# Altium PCB F4_PCB.PcbDoc (part 2 of 2)
Units mm, origin at the board's own origin, x right, y up, seen from the top; angles counter-clockwise.
Board outline 53 x 92 mm, 2 copper layers (Top Layer, Bottom Layer); 135 components, 165 nets, 659 pads, 265 vias.
Unrouted connection lines stored in the file: 117.
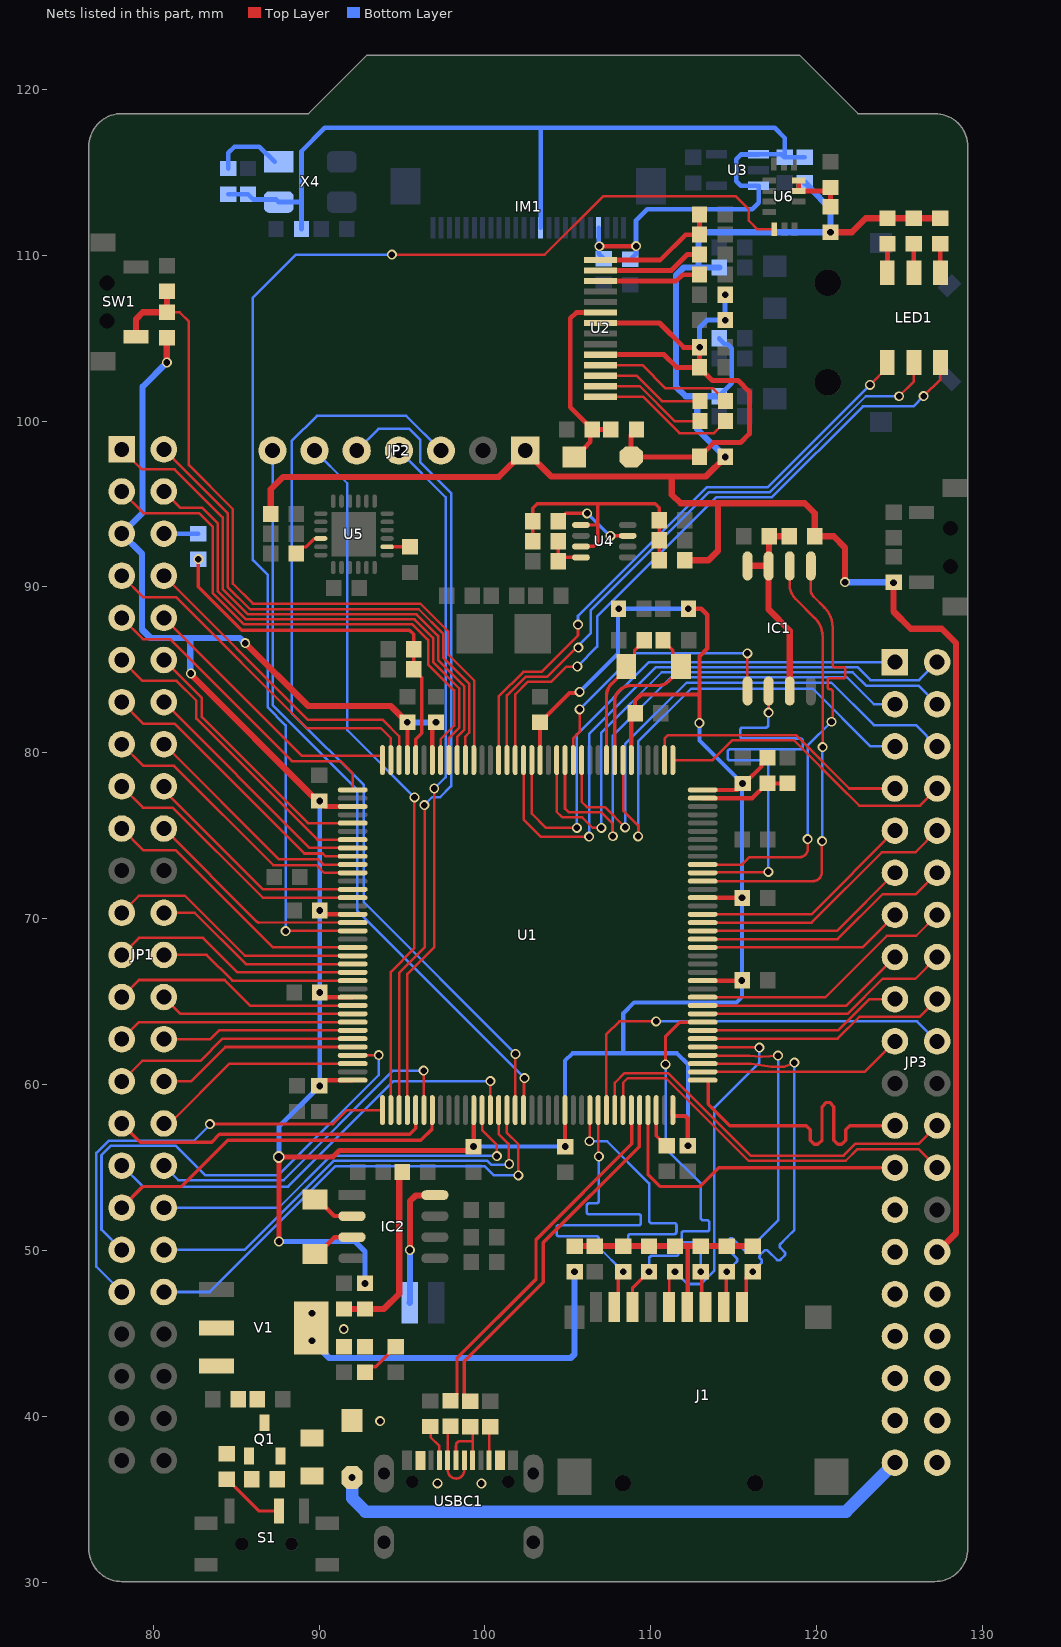
[diagram p2: the nets of this part, all layers, seen from the top]

## Via types
v1: diameter 0.6, hole 0.4, Top Layer to Bottom Layer, tented both sides, 259 vias
v2: diameter 4, hole 3.2, Top Layer to Bottom Layer, tented both sides, 4 vias
v3: diameter 0.66, hole 0.406, Top Layer to Bottom Layer, tented both sides, 1 vias
v4: diameter 0.7, hole 0.5, Top Layer to Bottom Layer, tented both sides, 1 vias

## Nets (pads, with @x,y where several pads share a name; then routed paths per layer and width w, separated by ;. In a path a pad name is that pad's centre, name@x,y a point inside that pad or via, vN(x,y) a via of type N, cw(c..) or ccw(c..) an arc to the next point about the centre after c; other vN are vias at no path point) (continued)
NetC4_2: C4.2 U1.106 | length 2.4
  Top Layer w0.203: U1.106@110.328,58.468 110.328,56.914 110.935,56.307 C4.2@110.96,56.307
NetC7_2: C7.2 C8.2 R2.1 U1.32 | length 23.8
  Top Layer w0.203: v1(82.721,91.678) 82.721,90.023 85.343,87.401 95.453,87.401 95.707,87.147 C8.2@95.707,86.239 C7.2@95.707,85.039 95.707,85.014 96.183,84.538 96.183,81.172 95.828,80.817 U1.32@95.828,79.568
NetC22_2: C22.2 U1.9 X2.1 | length 8.1
  Top Layer w0.203: U1.9@107.328,79.568 107.328,83.429 cw(c108.369,83.429) 107.633,84.165 108.523,85.054 X2.1@108.523,85.204 109.021,85.703 109.021,86.179 109.609,86.767 C22.2@109.609,86.792
NetC23_2: C23.2 U1.8 X2.2 | length 10.6
  Top Layer w0.203: U1.8@107.828,79.568 107.828,83.113 cw(c108.733,83.113) 108.093,83.754 cw(c108.836,83.011) 108.836,84.061 110.47,84.061 ccw(c110.47,84.929) 111.083,84.315 111.823,85.054 X2.2@111.823,85.204 111.324,85.703 111.324,86.179 110.736,86.767 C23.2@110.736,86.792
NetC29_1: C29.1 IC1.3 IC1.7 IC1.8 R34.2 | length 12.3
  Top Layer w0.381: IC1.8@115.837,91.271 IC1.7@117.107,91.271 ; R34.2@118.341,93.06 C29.1@117.142,93.06 117.125,93.043 117.125,91.289 IC1.7@117.107,91.271 ; IC1.3@118.377,83.735 118.377,87.363 117.1,88.64 117.1,91.265 IC1.7@117.107,91.271
NetC30_1: C30.1 U2.2 | length 6.9
  Top Layer w0.152: U2.2@106.978,102.106 109.333,102.106 111.44,100 C30.1@112.965,100
NetC30_2: C30.2 U2.1 | length 8.7
  Top Layer w0.152: U2.1@106.978,101.472 109.536,101.472 111.727,99.281 113.811,99.281 114.505,99.975 C30.2@114.505,100
NetC31_1: C31.1 U2.4 | length 8.4
  Top Layer w0.152: U2.4@106.978,103.374 109.498,103.374 110.897,101.975 113.762,101.975 114.505,101.231 C31.1@114.505,101.206
NetC31_2: C31.2 U2.3 | length 6.6
  Top Layer w0.152: U2.3@106.978,102.74 109.13,102.74 110.664,101.206 C31.2@112.965,101.206
NetC34_2: C34.2 U2.13 | length 6.4
  Top Layer w0.305: U2.13@106.978,109.081 111.24,109.081 112.204,110.045 112.931,110.045 C34.2@112.939,110.038
NetC35_2: C35.2 C36.2 U2.14 | length 7.8
  Top Layer w0.279: U2.14@106.978,109.715 110.565,109.715 112.095,111.245 C36.2@112.939,111.245 C35.2@112.939,112.451
NetC37_2: C37.2 D2.1 R27.1 U2.9 | length 12.5
  Top Layer w0.279: D2.1@105.39,97.846 105.454,97.846 105.949,98.341 106.359,98.752 106.359,99.379 C37.2@106.478,99.497 ; U2.9@106.978,106.545 105.497,106.545 105.143,106.191 105.143,100.831 106.127,99.847 106.152,99.847 106.478,99.522 C37.2@106.478,99.497 ; R27.1@107.597,99.497 C37.2@106.478,99.497
NetC48_2: C48.2 C49.2 R43.2 R44.2 R48.1 U4.6 U4.8 | length 17.5
  Top Layer w0.203: R48.1@102.875,92.761 R44.2@102.875,93.967 102.875,94.74 103.149,95.015 105.797,95.015 106.807,95.015 ; U4.6@105.792,92.436 105.814,92.458 106.574,92.458 106.807,92.691 106.807,93.736 ; U4.8@105.792,93.736 106.807,93.736 ; R43.2@110.506,91.618 110.506,92.816 C48.2@110.514,92.824 C49.2@110.514,94.031 110.514,94.782 110.28,95.015 106.807,95.015 ; 106.807,93.736 106.807,95.015
NetC51_2: C51.2 U5.10 | length 1.9
  Top Layer w0.203: C51.2@88.633,92.024 88.633,92.049 88.997,92.413 89.219,92.413 89.715,92.909 90.092,92.909 U5.10@90.106,92.923
NetC52_1: C52.1 U5.20 | length 1.4
  Top Layer w0.203: U5.20@94.107,92.423 95.475,92.423 C52.1@95.485,92.413
NetCR1_1: CR1.1 IC2.8 | length 7.8
  Top Layer w0.381: v1(95.479,50.032) 95.479,52.965 95.829,53.315 96.959,53.315 IC2.8@96.985,53.342
  Bottom Layer w0.381: CR1.1@95.46,46.857 95.479,46.876 v1(95.479,50.032)
NetD1_1: D1.1 USBC1.A4 USBC1.A9 USBC1.B4 USBC1.B9
  other v1: 97.142,35.966 99.784,35.954 93.688,39.713
NetF1_2: F1.2 Q1.2 R14.1
NetIC2_2: IC2.2 X3.1 | length 2.6
  Top Layer w0.254: X3.1@89.764,53.079 89.914,53.079 90.92,52.072 IC2.2@91.985,52.072
NetIC2_3: IC2.3 X3.2 | length 2.6
  Top Layer w0.254: X3.2@89.764,49.779 89.914,49.779 90.937,50.802 IC2.3@91.985,50.802
NetLED1_1: LED1.1 R9.1 | length 1.7
  Top Layer w0.279: R9.1@127.444,110.68 127.457,110.668 LED1.1@127.457,108.941
NetLED1_3: LED1.3 R8.1 | length 1.7
  Top Layer w0.279: LED1.3@125.857,108.941 R8.1@125.857,110.68
NetLED1_5: LED1.5 R7.1 | length 1.7
  Top Layer w0.279: LED1.5@124.257,108.941 124.269,108.953 R7.1@124.269,110.68
NetLEDR_1: LEDR.1 R16.2 | length 2.5
  Top Layer w0.203: R16.2@92.773,42.664 93.103,42.994 93.424,42.994 94.239,43.809 94.239,43.834 94.603,44.198 LEDR.1@94.628,44.198
NetQ1_1: Q1.1 R14.2 R15.1
NetR3_2: R3.2 R4.2 U1.143 | length 5.5
  Top Layer w0.254: U1.143@113.128,77.268 116.113,77.268 117.005,78.16 R3.2@117.03,78.16 R4.2@118.237,78.16
NetR10_1: R10.1 USBC1.B5 | length 2.1
  Top Layer w0.152: USBC1.B5@100.256,37.356 100.256,39.314 R10.1@100.324,39.381
NetR11_2: R11.2 USBC1.A5 | length 2.3
  Top Layer w0.152: R11.2@96.704,39.389 96.731,39.363 96.731,38.74 97.255,38.216 97.255,37.357 USBC1.A5@97.256,37.356
NetR12_1: R12.1 USBC1.A7 USBC1.B7 | length 4.9
  Top Layer w0.152: R12.1@97.93,39.394 97.756,39.22 USBC1.B7@97.756,37.354 97.756,36.762 ccw(c98.266,36.762) 98.266,36.252 ccw(c98.266,36.742) 98.756,36.742 USBC1.A7@98.756,37.354
NetR13_1: R13.1 USBC1.A6 USBC1.B6 | length 4.1
  Top Layer w0.152: USBC1.A6@98.256,37.356 98.256,38.242 cw(c98.527,38.242) 98.527,38.513 99.256,38.513 ; R13.1@99.123,39.375 99.256,39.242 99.256,38.513 ; USBC1.B6@99.256,37.356 99.256,38.513
NetR15_2: R15.2 S1.2 | length 4
  Top Layer w0.203: R15.2@84.43,36.206 84.455,36.206 86.362,34.298 S1.2@87.593,34.298
NetR26_2: R26.2 U2.12 | length 6.1
  Top Layer w0.279: U2.12@106.978,108.447 111.543,108.447 111.928,108.832 R26.2@112.939,108.832
NetR44_1: R44.1 U4.2 | length 5
  Top Layer w0.203: R44.1@104.415,93.967 104.415,93.992 104.866,94.444 v1(106.166,94.444) ; v1(107.563,93.078) 107.566,93.082 108.605,93.082 U4.2@108.609,93.086
  Bottom Layer w0.203: v1(106.166,94.444) 107.531,93.078 v1(107.563,93.078)
NetR47_2: R47.2 R48.2 U4.5 | length 2.7
  Top Layer w0.203: R48.2@104.415,92.761 R47.2@104.415,91.554 104.646,91.786 U4.5@105.792,91.786
NetR51_2: R51.2 X4.1 | length 4.3
  Bottom Layer w0.279: R51.2@84.531,115.227 84.531,116.173 84.906,116.548 86.401,116.548 X4.1@87.322,115.628
OLED3.3: C32.2 C33.2 D2.2 R23.2 R24.1 R25.1 R27.2 U2.5 U2.8 | length 34.1
  Top Layer w0.305: U2.5@106.978,104.008 110.799,104.008 111.564,103.244 C33.2@112.939,103.244 112.939,103.219 113.708,102.449 115.267,102.449 115.938,101.778 115.938,99.231 115.405,98.698 113.791,98.698 113.276,98.184 113.251,98.184 112.939,97.871 R23.2@112.939,97.846 D2.2@108.819,97.846 108.819,99.155 109.137,99.472 R27.2@109.137,99.497 ; U2.8@106.978,105.911 110.523,105.911 111.983,104.45 C32.2@112.939,104.45 C33.2@112.939,103.269
  Bottom Layer w0.305: v1(112.941,104.451) 112.941,105.632 113.398,106.089 v1(114.479,106.089) v1(114.479,107.625)
OV_3.3: C39.2 C40.2 C42.2 IM1.14 IM1.21 R30.2 R31.2 R32.2 R51.1 U3.1 U3.3 X4.4 | length 69.1
  Top Layer w0.279: v1(106.896,110.541) 106.899,110.544 109.115,110.544 v1(109.118,110.547)
  Bottom Layer w0.279: R51.1@84.531,113.687 C42.2@85.719,113.687 86.044,113.362 87.416,113.362 X4.4@87.572,113.206 88.936,113.206 88.944,113.214 ; C40.2@88.944,111.576 88.944,113.214 ; IM1.14@103.36,111.663 103.36,117.678 ; IM1.21@106.86,111.663 106.86,110.096 R31.2@107.163,109.793 ; R32.2@108.763,109.761 108.787,109.761 109.112,110.087 109.112,112.097 109.784,112.768 116.116,112.768 116.503,113.156 U3.3@116.503,114.182 115.428,114.182 115.151,114.459 115.151,115.792 115.429,116.07 116.492,116.07 U3.1@116.503,116.082 117.867,116.082 118.047,115.902 C39.2@118.072,115.902 ; R30.2@119.278,115.902 C39.2@118.072,115.902 ; 88.944,113.214 88.944,116.268 90.354,117.678 103.36,117.678 ; 103.36,117.678 117.462,117.678 118.072,117.069 C39.2@118.072,115.902
PA0: JP1.8 U1.34 | length 19.6
  Top Layer w0.152: JP1.8@80.645,90.678 89.338,81.985 93.847,81.985 94.828,81.004 U1.34@94.828,79.568
PA1: JP1.7 U1.35 | length 21.6
  Top Layer w0.152: JP1.7@78.105,90.678 79.413,89.37 81.394,89.37 89.281,81.483 93.726,81.483 94.328,80.881 U1.35@94.328,79.568
PA2: JP1.10 U1.36 | length 16.8
  Top Layer w0.152: JP1.10@80.645,88.138 88.951,79.832 93.76,79.832 93.828,79.764 U1.36@93.828,79.568
PA3: JP1.9 U1.37 | length 18.8
  Top Layer w0.152: JP1.9@78.105,88.138 79.388,86.855 81.02,86.855 88.367,79.508 91.294,79.508 92.028,78.774 U1.37@92.028,77.768
PA5: JP1.12 U1.41 | length 16.1
  Top Layer w0.152: JP1.12@80.645,85.598 82.937,83.306 82.937,82.163 89.332,75.768 U1.41@92.028,75.768
PA7: JP1.11 U1.43 | length 19
  Top Layer w0.152: JP1.11@78.105,85.598 79.369,84.334 81.407,84.334 82.601,83.141 82.601,82.068 89.901,74.768 U1.43@92.028,74.768
PA8: JP3.20 U1.100 | length 25.3
  Top Layer w0.152: U1.100@107.328,58.468 107.328,63.043 108.102,63.817 v1(110.319,63.817)
  Bottom Layer w0.152: v1(110.319,63.817) 126.054,63.817 JP3.20@127.26,62.611
PA15: JP3.19 U1.110 | length 12.4
  Top Layer w0.152: U1.110@113.128,60.768 122.877,60.768 JP3.19@124.72,62.611
PAJ_3.3: C54.2 R50.2 U6.11 U6.12 | length 3.8
  Top Layer w0.279: U6.11@118.916,114.51 U6.12@118.916,113.875 120.621,113.875 C54.2@120.83,114.083 R50.2@120.83,112.934
PAJ_INT: U1.54 U6.3 | length 78.2
  Top Layer w0.152: v1(87.991,69.252) 87.992,69.266 87.994,69.268 U1.54@92.028,69.268 ; v1(94.393,110.033) 103.607,110.033 107.144,113.57 115.1,113.57 115.919,112.751 115.919,112.078 116.434,111.563 U6.3@117.442,111.563
  Bottom Layer w0.152: v1(87.991,69.252) 87.991,81.656 86.895,82.752 86.895,90.746 86.017,91.624 86.017,107.442 88.608,110.033 v1(94.393,110.033)
PB0: JP1.16 U1.46 | length 14.4
  Top Layer w0.152: JP1.16@80.645,80.518 87.579,73.584 89.954,73.584 90.27,73.268 U1.46@92.028,73.268
PB1: JP1.15 U1.47 | length 17.1
  Top Layer w0.152: JP1.15@78.105,80.518 79.413,79.21 81.267,79.21 87.242,73.236 89.845,73.236 90.313,72.768 U1.47@92.028,72.768
PB10: JP1.39 U1.69 | length 29.2
  Top Layer w0.152: U1.69@92.028,61.768 92.033,61.774 93.594,61.774 v1(93.599,61.779)
  Bottom Layer w0.152: JP1.39@78.105,50.038 76.886,51.257 76.886,55.753 77.438,56.305 81.369,56.305 83.128,54.546 87.566,54.546 93.599,60.579 v1(93.599,61.779)
PB11: JP1.34 U1.70 | length 12.9
  Top Layer w0.152: JP1.34@80.645,57.658 81.001,57.658 84.611,61.268 U1.70@92.028,61.268
PB12: JP1.41 U1.73 | length 27.4
  Top Layer w0.152: v1(83.414,57.62) 83.42,57.626 90.843,57.626 91.685,58.468 U1.73@93.828,58.468
  Bottom Layer w0.152: JP1.41@78.105,47.498 76.581,49.022 76.581,55.689 76.581,55.879 77.312,56.61 77.502,56.61 82.448,56.61 83.414,57.575 v1(83.414,57.62)
PB13: JP2.6 U1.74 | length 42.8
  Top Layer w0.152: U1.74@94.328,58.468 94.328,66.801 95.752,68.224 v1(95.752,77.318)
  Bottom Layer w0.152: JP2.6@89.732,98.222 91.7,96.253 91.7,81.369 v1(95.752,77.318)
PB14: JP2.5 U1.75 | length 47.4
  Top Layer w0.152: U1.75@94.828,58.468 94.828,66.736 96.361,68.269 96.361,76.835 v1(96.346,76.85)
  Bottom Layer w0.152: JP2.5@92.272,98.222 93.58,99.53 95.447,99.53 96.088,98.889 96.088,97.536 97.968,95.656 97.968,77.999 97.292,77.323 96.819,77.323 v1(96.346,76.85)
PB15: JP2.4 U1.76 | length 41.9
  Top Layer w0.152: U1.76@95.328,58.468 95.328,66.67 96.952,68.294 96.952,77.845 v1(96.945,77.851)
  Bottom Layer w0.152: JP2.4@94.812,98.222 97.625,95.409 97.625,78.531 v1(96.945,77.851)
PC0: JP1.2 U1.26 | length 32.4
  Top Layer w0.152: JP1.2@80.645,98.298 84.493,94.45 84.493,90.011 85.846,88.659 96.011,88.659 97.485,87.184 97.485,85.738 99.054,84.169 99.054,81.211 98.828,80.985 U1.26@98.828,79.568
PC1: JP1.1 U1.27 | length 34.6
  Top Layer w0.152: JP1.1@78.105,98.298 78.829,97.574 79.318,97.085 81.293,97.085 84.188,94.19 84.188,89.885 85.719,88.354 95.884,88.354 97.18,87.058 97.18,85.591 98.749,84.023 98.749,81.382 98.328,80.961 U1.27@98.328,79.568
PC2: JP1.4 U1.28 | length 30.5
  Top Layer w0.152: JP1.4@80.645,95.758 81.623,94.78 82.95,94.78 83.883,93.847 83.883,89.759 85.593,88.049 95.758,88.049 96.876,86.931 96.876,85.465 98.444,83.896 98.444,81.508 97.828,80.892 U1.28@97.828,79.568
PC3: JP1.3 U1.29 | length 32.7
  Top Layer w0.152: JP1.3@78.105,95.758 79.413,94.45 82.768,94.45 83.579,93.639 83.579,89.632 85.467,87.744 95.632,87.744 96.571,86.805 96.571,85.339 98.139,83.77 98.139,81.634 97.328,80.823 U1.29@97.328,79.568
PC4: JP1.14 U1.44 | length 15
  Top Layer w0.152: JP1.14@80.645,83.058 89.435,74.268 U1.44@92.028,74.268
PC5: JP1.13 U1.45 | length 17.8
  Top Layer w0.152: JP1.13@78.105,83.058 79.4,81.763 81.293,81.763 89.122,73.933 90.221,73.933 90.386,73.768 U1.45@92.028,73.768
PC13: JP3.5 U1.7 | length 28.9
  Top Layer w0.152: U1.7@108.328,79.568 108.328,76.533 109.239,75.622 v1(109.239,74.968)
  Bottom Layer w0.152: v1(109.239,74.968) 109.239,80.677 112.427,83.864 119.767,83.864 123.241,80.391 JP3.5@124.72,80.391
PD0: JP3.18 U1.114 | length 15.1
  Top Layer w0.152: U1.114@113.128,62.768 121.258,62.768 122.568,64.078 126.187,64.078 JP3.18@127.26,65.151
PD1: JP3.17 U1.115 | length 12.4
  Top Layer w0.152: U1.115@113.128,63.268 121.294,63.268 123.177,65.151 JP3.17@124.72,65.151
PD3: JP3.16 U1.117 | length 15.6
  Top Layer w0.152: U1.117@113.128,64.268 121.856,64.268 123.971,66.383 125.952,66.383 JP3.16@127.26,67.691
PD4: JP3.15 U1.118 | length 12.8
  Top Layer w0.152: U1.118@113.128,64.768 121.797,64.768 JP3.15@124.72,67.691
PD5: JP3.14 U1.119 | length 16.2
  Top Layer w0.152: U1.119@113.128,65.268 120.526,65.268 124.231,68.974 126.003,68.974 JP3.14@127.26,70.231
PD8: JP1.33 U1.77 | length 19.6
  Top Layer w0.203: JP1.33@78.105,57.658 79.234,56.529 83.523,56.529 83.998,57.004 95.46,57.004 95.828,57.372 U1.77@95.828,58.468
PD9: JP1.36 U1.78 | length 21.1
  Top Layer w0.152: v1(96.31,60.839) 96.319,60.831 96.319,58.477 U1.78@96.328,58.468
  Bottom Layer w0.152: JP1.36@80.645,55.118 81.528,54.235 87.859,54.235 94.463,60.839 v1(96.31,60.839)
PD10: JP1.37 U1.79 | length 21.8
  Top Layer w0.203: JP1.37@78.105,52.578 79.388,53.861 81.712,53.861 84.493,56.642 96.133,56.642 96.809,57.318 96.809,58.45 U1.79@96.828,58.468
PD14: JP1.38 U1.85 | length 24.5
  Top Layer w0.152: U1.85@99.828,58.468 99.828,57.264 100.724,56.368 v1(100.724,55.691)
  Bottom Layer w0.152: JP1.38@80.645,52.578 87.573,52.578 90.697,55.702 100.712,55.702 v1(100.724,55.691)
PD15: JP1.35 U1.86 | length 27.1
  Top Layer w0.152: U1.86@100.328,58.468 100.329,58.469 v1(100.33,60.211) v1(100.33,60.211)
  Bottom Layer w0.152: JP1.35@78.105,55.118 79.375,53.848 88.138,53.848 94.501,60.211 v1(100.33,60.211)
PE2: JP3.8 U1.1 | length 18.5
  Top Layer w0.152: U1.1@111.328,79.568 113.731,79.568 114.929,80.766 118.619,80.766 121.838,77.546 121.842,77.546 122.566,76.822 126.232,76.822 JP3.8@127.26,77.851
PE3: JP3.7 U1.2 | length 16.6
  Top Layer w0.152: U1.2@110.828,79.568 110.828,80.862 111.036,81.07 118.745,81.07 121.964,77.851 JP3.7@124.72,77.851
PE7: JP1.24 U1.58 | length 12.7
  Top Layer w0.152: JP1.24@80.645,70.358 82.506,70.358 85.595,67.268 U1.58@92.028,67.268
PE8: JP1.25 U1.59 | length 15.2
  Top Layer w0.152: JP1.25@78.105,67.818 79.134,68.847 83.014,68.847 85.092,66.768 U1.59@92.028,66.768
PE9: JP1.26 U1.60 | length 12
  Top Layer w0.152: JP1.26@80.645,67.818 83.222,67.818 84.772,66.268 87.943,66.268 87.945,66.27 89.064,66.27 89.066,66.268 89.483,66.268 89.485,66.27 90.604,66.27 90.606,66.268 U1.60@92.028,66.268
PE10: JP1.27 U1.63 | length 15
  Top Layer w0.152: JP1.27@78.105,65.278 79.134,66.307 84.303,66.307 85.841,64.768 U1.63@92.028,64.768
PE11: JP1.28 U1.64 | length 11.8
  Top Layer w0.152: JP1.28@80.645,65.278 81.655,64.268 U1.64@92.028,64.268
PE12: JP1.29 U1.65 | length 14.3
  Top Layer w0.152: JP1.29@78.105,62.738 79.135,63.768 U1.65@92.028,63.768
PE13: JP1.30 U1.66 | length 11.6
  Top Layer w0.152: JP1.30@80.645,62.738 83.452,62.738 83.982,63.268 U1.66@92.028,63.268
PE14: JP1.31 U1.67 | length 15
  Top Layer w0.152: JP1.31@78.105,60.198 79.343,61.436 82.861,61.436 84.193,62.768 U1.67@92.028,62.768
PE15: JP1.32 U1.68 | length 12.2
  Top Layer w0.152: JP1.32@80.645,60.198 82.29,60.198 84.36,62.268 U1.68@92.028,62.268
PF2: JP3.6 U1.12 | length 32.7
  Top Layer w0.152: U1.12@105.828,79.568 105.828,77.052 106.153,76.727 107.245,76.727 v1(108.458,75.514)
  Bottom Layer w0.152: v1(108.458,75.514) 108.458,80.531 112.166,84.239 120.879,84.239 123.45,81.667 125.984,81.667 JP3.6@127.26,80.391
PF4: JP3.3 U1.14 | length 32.1
  Top Layer w0.152: U1.14@104.828,79.568 104.828,76.644 105.05,76.422 107.011,76.422 107.715,75.718 v1(107.715,74.974)
  Bottom Layer w0.152: v1(107.715,74.974) 107.715,81.045 111.227,84.557 121.818,84.557 123.444,82.931 JP3.3@124.72,82.931
PF5: JP3.4 U1.15 | length 34.5
  Top Layer w0.152: U1.15@104.328,79.568 104.328,76.45 104.667,76.111 105.867,76.111 106.502,75.476 v1(107.023,75.476)
  Bottom Layer w0.152: v1(107.023,75.476) 107.023,81.223 110.661,84.861 122.168,84.861 122.98,84.049 126.143,84.049 JP3.4@127.26,82.931
PF6: JP3.1 U1.18 | length 32.9
  Top Layer w0.152: U1.18@102.828,79.568 102.828,76.331 103.676,75.482 v1(105.543,75.482)
  Bottom Layer w0.152: v1(105.543,75.482) 105.543,81.115 109.899,85.471 JP3.1@124.72,85.471
PF7: JP3.2 U1.19 | length 37.6
  Top Layer w0.152: U1.19@102.328,79.568 102.328,75.986 103.36,74.954 v1(106.28,74.954)
  Bottom Layer w0.152: v1(106.28,74.954) 106.28,81.14 110.306,85.166 122.453,85.166 123.234,84.385 126.174,84.385 JP3.2@127.26,85.471
PF11: JP1.18 U1.49 | length 14.1
  Top Layer w0.152: JP1.18@80.645,77.978 80.645,77.733 86.61,71.768 U1.49@92.028,71.768
PF12: JP1.17 U1.50 | length 16.7
  Top Layer w0.152: JP1.17@78.105,77.978 79.381,76.702 81.172,76.702 86.606,71.268 U1.50@92.028,71.268
PF13: JP1.20 U1.53 | length 13.7
  Top Layer w0.152: JP1.20@80.645,75.438 86.27,69.813 ccw(c86.378,69.921) 86.379,69.768 87.987,69.781 cw(c87.991,69.252) 88.024,69.78 ccw(c88.04,70.008) 88.039,69.779 91.278,69.768 U1.53@92.028,69.768
PG0: JP1.19 U1.56 | length 16.9
  Top Layer w0.152: JP1.19@78.105,75.438 79.4,74.143 81.356,74.143 87.231,68.268 U1.56@92.028,68.268
PG1: JP1.23 U1.57 | length 15.8
  Top Layer w0.152: JP1.23@78.105,70.358 79.134,71.387 81.908,71.387 85.526,67.768 U1.57@92.028,67.768
PG2: JP1.40 U1.87 | length 26.7
  Top Layer w0.152: U1.87@100.828,58.468 100.828,57.02 101.429,56.42 101.429,55.254 v1(101.468,55.215)
  Bottom Layer w0.152: JP1.40@80.645,50.038 85.516,50.038 90.876,55.397 100.153,55.397 100.392,55.159 101.412,55.159 v1(101.468,55.215)
PG3: JP1.42 U1.88 | length 29
  Top Layer w0.152: U1.88@101.328,58.468 101.328,57.092 102.013,56.407 v1(102.013,54.534)
  Bottom Layer w0.152: JP1.42@80.645,47.498 83.407,47.498 91.002,55.093 99.978,55.093 100.537,54.534 v1(102.013,54.534)
PG4: JP2.3 U1.89 | length 56.4
  Top Layer w0.152: U1.89@101.828,58.468 101.838,58.478 101.838,61.839 v1(101.848,61.849)
  Bottom Layer w0.152: JP2.3@97.352,98.222 95.256,100.317 89.871,100.317 88.348,98.795 88.348,82.416 92.704,78.061 92.704,70.993 v1(101.848,61.849)
PG5: JP2.7 U1.90 | length 46.1
  Top Layer w0.152: U1.90@102.328,58.468 102.356,58.496 102.356,60.357 v1(102.387,60.389)
  Bottom Layer w0.152: JP2.7@87.192,98.222 87.2,98.214 87.2,82.879 92.291,77.787 92.291,70.485 v1(102.387,60.389)
PG10: JP3.13 U1.125 | length 12.4
  Top Layer w0.152: U1.125@113.128,68.268 122.757,68.268 JP3.13@124.72,70.231
PG11: JP3.12 U1.126 | length 15.8
  Top Layer w0.152: U1.126@113.128,68.768 121.264,68.768 123.984,71.488 125.978,71.488 JP3.12@127.26,72.771
PG12: JP3.11 U1.127 | length 13
  Top Layer w0.152: U1.127@113.128,69.268 121.217,69.268 JP3.11@124.72,72.771
PG13: JP3.10 U1.128 | length 16.4
  Top Layer w0.152: U1.128@113.128,69.768 119.692,69.768 123.933,74.009 125.959,74.009 JP3.10@127.26,75.311
PG14: JP3.9 U1.129 | length 13.7
  Top Layer w0.152: U1.129@113.128,70.268 119.678,70.268 JP3.9@124.72,75.311
RESET: C9.1 R5.1 SW1.1 U1.25 | length 45.4
  Top Layer w0.152: R5.1@80.835,106.561 81.59,106.561 82.15,106.001 82.15,97.346 84.798,94.698 84.798,90.208 86.009,88.997 96.104,88.997 97.79,87.31 97.79,85.922 99.358,84.353 99.358,80.453 99.356,80.451 99.356,79.596 U1.25@99.328,79.568
  Top Layer w0.381: SW1.1@78.966,105.088 78.966,106.15 79.377,106.561 R5.1@80.835,106.561 C9.1@80.835,107.823
RGB_B: LED1.6 U1.22 | length 36.5
  Top Layer w0.152: U1.22@100.828,79.568 100.828,83.391 102.324,84.887 103.424,84.887 105.612,87.075 v1(105.612,87.729) ; v1(123.215,102.184) 123.215,102.189 124.257,103.23 LED1.6@124.257,103.53
  Bottom Layer w0.152: v1(105.612,87.729) 105.612,88.257 113.38,96.025 117.056,96.025 v1(123.215,102.184)
RGB_G: LED1.4 U1.21 | length 38.3
  Top Layer w0.152: U1.21@101.328,79.568 101.328,83.46 102.45,84.582 103.75,84.582 105.513,86.344 v1(105.629,86.344) ; v1(124.974,101.498) 125.857,102.381 LED1.4@125.857,103.53
  Bottom Layer w0.152: v1(105.629,86.344) 105.629,86.461 106.375,87.206 106.375,88.588 113.487,95.701 117.163,95.701 122.961,101.498 v1(124.974,101.498)
RGB_R: LED1.2 U1.20 | length 39.5
  Top Layer w0.152: U1.20@101.828,79.568 101.828,83.529 102.576,84.277 103.986,84.277 104.913,85.204 v1(105.571,85.204) ; v1(126.448,101.505) 127.457,102.514 LED1.2@127.457,103.53
  Bottom Layer w0.152: v1(105.571,85.204) 106.769,86.403 106.769,88.231 113.935,95.396 117.289,95.396 122.782,100.889 125.832,100.889 v1(126.448,101.505)
SD_3.3: C28.1 J1.4 R17.1 R18.1 R19.1 R20.1 R21.1 R22.1 R35.2 | length 14.4
  Top Layer w0.254: R20.1@111.457,50.269 R20.1@111.482,50.269 ; J1.4@112.2,46.6 112.227,46.627 112.227,50.245 112.251,50.269
  Top Layer w0.381: R35.2@105.412,50.269 C28.1@106.619,50.269 R22.1@108.333,50.269 R21.1@109.895,50.269 R20.1@111.457,50.269 ; R20.1@111.482,50.269 112.251,50.269 R19.1@113.019,50.269 R18.1@114.582,50.269 R17.1@116.144,50.269
SDIO_CMD: J1.3 R19.2 U1.116 | length 22.8
  Top Layer w0.203: v1(110.89,61.222) 110.89,62.909 111.749,63.768 U1.116@113.128,63.768 ; v1(113.019,48.729) 113.068,48.681 113.068,47.398 J1.3@113.3,46.6
  Bottom Layer w0.152: v1(110.89,61.222) 110.89,56.159 113.019,54.03 113.019,52.045 113.019,51.968 ccw(c113.172,51.968) 113.172,51.816 113.393,51.816 cw(c113.393,51.684) 113.525,51.684 113.525,51.288 cw(c113.393,51.288) 113.393,51.156 111.986,51.156 ccw(c111.986,51.024) 111.854,51.024 111.854,50.627 ccw(c111.986,50.627) 111.986,50.495 112.867,50.495 cw(c112.867,50.343) 113.019,50.343 113.019,49.359 v1(113.019,48.729)
SDIO_D0: J1.7 R21.2 U1.98 | length 23.3
  Top Layer w0.152: v1(106.305,56.585) 106.328,56.607 U1.98@106.328,58.468
  Top Layer w0.203: J1.7@108.9,46.6 108.9,47.758 109.87,48.729 v1(109.895,48.729)
  Bottom Layer w0.152: v1(106.305,56.585) 107.361,56.585 109.895,54.05 109.895,51.879 109.895,51.803 ccw(c110.048,51.803) 110.048,51.651 111.418,51.651 cw(c111.418,51.519) 111.55,51.519 111.55,51.122 cw(c111.418,51.122) 111.418,50.99 108.77,50.99 ccw(c108.77,50.858) 108.638,50.858 108.638,50.462 ccw(c108.77,50.462) 108.77,50.33 111.528,50.33 cw(c111.528,50.198) 111.66,50.198 111.66,49.802 cw(c111.528,49.802) 111.528,49.67 110.048,49.67 ccw(c110.048,49.517) 109.895,49.517 109.895,49.225 v1(109.895,48.729)
SDIO_D1: J1.8 R22.2 U1.99 | length 23.3
  Top Layer w0.152: v1@106.846,55.689 U1.99@106.846,58.45
  Top Layer w0.203: U1.99@106.828,58.468 U1.99@106.846,58.45 ; v1@106.846,55.689 v1(106.864,55.67) ; J1.8@107.8,46.6 108.048,47.398 R22.2@108.048,48.365
  Bottom Layer w0.152: v1(106.864,55.67) 106.864,54.003 106.864,52.995 cw(c106.712,52.995) 106.712,52.843 106.278,52.843 ccw(c106.278,52.711) 106.146,52.711 106.146,52.314 ccw(c106.278,52.314) 106.278,52.182 109.272,52.182 cw(c109.272,52.05) 109.404,52.05 109.404,51.654 cw(c109.272,51.654) 109.272,51.522 104.456,51.522 ccw(c104.456,51.39) 104.324,51.39 104.324,50.994 ccw(c104.456,50.994) 104.456,50.862 106.712,50.862 cw(c106.712,50.709) 106.864,50.709 106.864,50.633 106.864,50.198 v1(108.333,48.729)
SDIO_D2: J1.1 R17.2 U1.111 | length 23.3
  Top Layer w0.152: U1.111@113.128,61.268 113.878,61.268 116.028,61.268 117.274,61.073 118.055,61.073 v1(118.656,61.322)
  Top Layer w0.203: J1.1@115.5,46.6 115.748,47.398 115.755,48.365 v1(116.144,48.729)
  Bottom Layer w0.152: v1(116.144,48.729) 116.591,49.176 116.645,49.23 ccw(c116.528,49.347) 116.645,49.463 116.596,49.512 cw(c116.713,49.629) 116.596,49.746 116.83,49.979 cw(c116.947,49.862) 117.063,49.979 117.592,49.451 ccw(c117.708,49.567) 117.825,49.451 118.059,49.684 ccw(c117.942,49.801) 118.059,49.918 117.812,50.164 cw(c117.929,50.281) 117.812,50.397 118.214,50.799 118.656,51.241 v1(118.656,61.322)
SDIO_D3: J1.2 R18.2 U1.112 | length 23.3
  Top Layer w0.152: U1.112@113.128,61.768 ccw(c113.178,61.818) 113.178,61.747 115.938,61.747 116.673,61.684 116.679,61.683 116.691,61.683 v1@117.671,61.747
  Top Layer w0.203: J1.2@114.4,46.6 114.551,47.398 114.551,48.365 v1(114.582,48.729)
  Bottom Layer w0.152: v1(114.582,48.729) 115.121,49.268 115.175,49.322 ccw(c115.067,49.43) 115.175,49.537 114.478,50.234 cw(c114.572,50.327) 114.478,50.42 114.759,50.701 cw(c114.852,50.607) 114.945,50.701 115.642,50.004 ccw(c115.749,50.112) 115.857,50.004 116.122,50.269 117.672,51.819 v1(117.672,61.747)
SDIO_SCK: J1.5 R20.2 U1.113 | length 23.3
  Top Layer w0.152: J1.5@111.1,46.6 111.1,48.371 v1(111.457,48.729) ; U1.113@113.128,62.268 113.147,62.249 116.522,62.249 v1(116.542,62.23)
  Bottom Layer w0.152: v1(111.457,48.729) 112.205,47.981 113.024,47.981 113.83,48.787 113.83,58.623 116.542,61.335 v1(116.542,62.23)
SPI1_MISO: IC1.2 U1.134 | length 26.8
  Top Layer w0.152: U1.134@113.128,72.768 113.156,72.796 117.056,72.796 v1(117.088,72.828) ; v1(117.107,82.427) IC1.2@117.107,83.735
  Bottom Layer w0.152: v1(117.088,72.828) 117.088,79.317 117.088,79.393 ccw(c116.935,79.393) 116.935,79.545 114.77,79.545 cw(c114.77,79.677) 114.637,79.677 114.637,80.074 cw(c114.77,80.074) 114.77,80.206 119.019,80.206 ccw(c119.019,80.338) 119.151,80.338 119.151,80.734 ccw(c119.019,80.734) 119.019,80.866 115.538,80.866 cw(c115.538,80.998) 115.405,80.998 115.405,81.394 cw(c115.538,81.394) 115.538,81.527 116.935,81.527 ccw(c116.935,81.679) 117.088,81.679 117.088,82.077 117.088,82.408 v1(117.107,82.427)
SPI1_MOSI: IC1.5 U1.135 | length 26.7
  Top Layer w0.152: U1.135@113.128,73.268 115.496,73.268 115.945,73.717 118.985,73.717 ccw(c118.985,74.189) 119.456,74.189 v1(119.456,74.797) ; IC1.5@119.647,91.271 119.647,90.696 119.647,89.833 ccw(c120.245,89.833) 119.823,89.409 120.471,88.761 120.472,88.76 cw(c119.293,87.58) 120.961,87.58 ; v1(120.898,81.877) 120.961,81.94 120.961,83.61 120.961,83.687 ccw(c120.809,83.687) 120.809,83.839 120.801,83.839 cw(c120.801,83.971) 120.669,83.971 120.669,84.367 cw(c120.801,84.367) 120.801,84.499 121.6,84.499 ccw(c121.6,84.632) 121.732,84.632 121.732,85.028 ccw(c121.6,85.028) 121.6,85.16 121.114,85.16 cw(c121.114,85.312) 120.961,85.312 120.961,87.236 120.961,87.579
  Bottom Layer w0.152: v1(119.456,74.797) 119.456,80.435 v1(120.898,81.877)
SPI1_SCK: IC1.6 U1.133 | length 26.7
  Top Layer w0.152: U1.133@113.128,72.268 119.779,72.268 ccw(c119.779,72.796) 120.307,72.796 120.307,74.651 v1(120.332,74.676) ; IC1.6@118.377,91.271 118.377,90.126 ccw(c119.557,90.126) 118.722,89.291 119.902,88.112 cw(c118.785,86.995) 120.364,86.995 v1(120.364,80.34)
  Bottom Layer w0.152: v1(120.332,74.676) 120.348,74.692 120.348,80.324 v1(120.364,80.34)
SW_VCC: C24.2 C25.2 Q1.3 V1.3
SWCLK: JP3.23 U1.109 | length 19.4
  Top Layer w0.203: U1.109@113.419,60.268 113.464,60.223 113.464,58.831 114.764,57.531 119.031,57.531 119.365,57.531 119.614,57.282 119.614,56.655 119.863,56.406 120.076,56.406 120.325,56.655 120.325,58.677 120.574,58.926 120.787,58.926 121.036,58.677 121.036,56.655 121.285,56.406 121.498,56.406 121.747,56.655 121.747,57.282 121.996,57.531 122.098,57.531 JP3.23@124.72,57.531
SWDIO: JP3.25 U1.105 | length 19.5
  Top Layer w0.203: U1.105@109.828,58.468 109.828,54.585 110.552,53.861 112.973,53.861 114.103,54.991 JP3.25@124.72,54.991
U1_RX: JP3.26 U1.102 | length 23.5
  Top Layer w0.152: U1.102@108.328,58.468 108.328,60.113 108.601,60.386 110.919,60.386 115.895,55.41 121.755,55.41 122.46,56.115 126.136,56.115 JP3.26@127.26,54.991
U1_TX: JP3.24 U1.101 | length 24.1
  Top Layer w0.152: U1.101@107.828,58.468 107.828,60.104 108.417,60.693 111.042,60.693 116.021,55.715 121.628,55.715 122.352,56.439 126.168,56.439 JP3.24@127.26,57.531
USB_D+: R13.2 U1.104 | length 22.1
  Top Layer w0.203: R13.2@99.123,40.915 99.11,40.915 98.746,41.278 98.746,43.328 103.511,48.093 103.511,50.481 109.294,56.264 109.294,57.616 109.309,57.631 109.309,58.45 U1.104@109.328,58.468
USB_D-: R12.2 U1.103 | length 22.1
  Top Layer w0.203: R12.2@97.93,40.934 97.951,40.934 98.315,41.297 98.315,43.507 103.08,48.272 103.08,50.66 108.862,56.443 108.862,57.616 108.846,57.631 108.846,58.45 U1.103@108.828,58.468
VCC_3.3: C5.1 C6.1 C10.2 C11.2 C12.2 C13.2 C14.2 C15.2 C16.2 C17.2 C18.2 C19.2 C20.2 C21.2 JP1.5 R3.1 R5.2 R6.2 R45.2 R46.2 U1.6 U1.17 U1.30 U1.33 U1.39 U1.52 U1.62 U1.72 U1.84 U1.95 U1.108 U1.121 U1.131 U1.144 | length 211.8
  Top Layer w0.254: C11.2@90.045,65.551 90.328,65.268 U1.62@92.028,65.268 ; U1.33@95.328,79.568 C18.2@95.328,81.845 ; U1.30@96.828,79.568 96.828,81.612 v1(97.053,81.837) ; C13.2@99.328,56.281 U1.84@99.328,58.468 ; U1.17@103.328,79.568 103.328,81.84 105.099,83.611 105.642,83.611 v1(105.708,83.677) ; C14.2@104.828,56.278 U1.95@104.828,58.468 ; U1.6@108.828,79.568 108.828,82.166 C16.2@109.053,82.391 109.053,83.152 109.423,83.522 112.928,83.522 ; U1.108@111.328,58.468 111.328,58.134 111.349,58.113 112.081,58.113 112.23,57.964 C15.2@112.23,56.307 ; R45.2@112.271,88.69 113.043,88.69 113.405,88.328 113.405,86.296 112.928,85.82 112.928,83.522 ; v1(112.928,81.801) 112.928,83.522 ; U1.121@113.128,66.268 115.481,66.268 v1(115.494,66.281) ; U1.131@113.128,71.268 115.485,71.268 v1(115.496,71.258) ; U1.144@113.128,77.768 115.208,77.768 115.608,78.168 C21.2@115.621,78.168 ; v1(115.526,78.154) C21.2@115.538,78.154 C21.2@115.563,78.154 ; C21.2@115.659,78.168 116.667,79.177 116.667,79.362 117.005,79.7 R3.1@117.03,79.7
  Top Layer w0.279: C5.1@89.899,77.1 C5.1@90.02,77.1 v1(90.032,77.1) 90.045,77.1 90.377,76.768 U1.39@92.028,76.768 ; C10.2@90.02,59.92 v1(90.045,59.92) 90.393,60.268 U1.72@92.028,60.268 ; v1(90.045,70.498) 90.274,70.268 U1.52@92.028,70.268
  Top Layer w0.305: v1(87.586,50.54) 87.582,50.543 87.582,55.636 v4(87.579,55.639) 90.83,55.639 91.23,56.039 99.085,56.039 v1(99.314,56.267)
  Top Layer w0.381: v1(80.829,103.53) R5.2@80.829,105.015 ; v1(82.271,84.785) 82.271,84.729 C5.1@89.899,77.1 ; v1(85.552,86.613) 89.342,82.823 94.325,82.823 95.303,81.845 v1(95.315,81.845)
  Bottom Layer w0.254: v1(99.314,56.267) 99.317,56.27 104.831,56.27 v1(104.833,56.273) 104.833,61.443 105.277,61.887 108.344,61.887 ; v1(105.708,83.677) 108.016,85.985 108.016,88.642 v1(108.064,88.69) v1(112.268,88.69) ; v1(112.243,56.305) 112.243,61.227 111.582,61.887 108.344,61.887 ; v1(112.928,81.801) 112.928,80.751 v1(115.526,78.154) ; v1@115.495,71.258 v1(115.494,66.281) v1(115.494,66.281) 115.494,65.284 115.164,64.954 108.998,64.954 108.344,64.3 108.344,61.887 ; v1(115.496,71.258) 115.496,78.043 v1@115.621,78.168
  Bottom Layer w0.279: v1(90.032,77.1) 90.038,77.094 90.038,70.504 v1(90.045,70.498) ; v1@90.044,59.921 v1(90.043,65.557) ; v1(90.043,65.557) v1@90.044,70.497
  Bottom Layer w0.305: v4(87.579,55.639) 87.579,57.455 v1(90.045,59.92) ; v1(87.586,50.54) 92.17,50.54 92.773,49.936 v1(92.773,48.014)
  Bottom Layer w0.381: v1(80.829,103.53) 79.362,102.064 79.362,94.475 JP1.5@78.105,93.218 79.325,91.998 79.325,87.439 79.839,86.925 82.229,86.925 ; v1(82.271,84.785) 82.229,84.827 82.229,86.925 ; v1(85.552,86.613) 85.531,86.613 85.219,86.925 82.229,86.925 ; v1@95.315,81.829 95.319,81.833 97.049,81.833 v1(97.053,81.837)
VCC_3.3W: C26.2 C27.2 JP2.1 JP3.27 JP3.29 JP3.30 JP3.31 JP3.32 JP3.33 JP3.34 JP3.35 JP3.36 R6.1 R7.2 R8.2 R9.2 R16.1 R23.1 R30.1 R33.2 R34.1 R35.1 R39.1 R40.2 R41.2 R42.2 R43.1 R49.1 R50.1 V1.2 V1.4 | length 172.1
  Top Layer w0.381: R49.1@87.093,94.399 87.093,95.888 87.84,96.634 100.844,96.634 JP2.1@102.432,98.222 103.994,96.66 111.271,96.66 ; C26.2@91.504,46.474 R6.1@92.773,46.474 93.909,46.474 94.836,47.401 94.836,54.551 R39.1@95.015,54.731 ; R43.1@112.046,91.618 113.481,91.618 114.052,92.189 114.052,95.04 ; R23.1@114.479,97.846 v1(114.479,97.834) 114.479,97.821 113.317,96.66 111.271,96.66 ; R34.1@119.881,93.035 119.881,94.438 119.278,95.04 114.052,95.04 ; R34.1@119.881,93.06 121.023,93.06 121.704,92.38 v1(121.704,90.291) ; v1(120.83,111.394) 122.125,111.394 122.952,112.221 R7.2@124.269,112.221 R8.2@125.857,112.221 R9.2@127.444,112.221 ; v1(124.631,90.265) 124.631,88.525 125.674,87.483 127.538,87.483 128.403,86.618 128.403,51.054 JP3.30@127.26,49.911 ; 111.271,96.66 111.271,95.566 111.796,95.04 114.052,95.04
  Bottom Layer w0.279: R41.2@114.132,101.505 114.132,101.53 114.889,102.287 114.889,104.389 114.637,104.641 114.457,104.641 114.132,104.966 R40.2@114.132,104.991
  Bottom Layer w0.381: v1(89.579,44.558) 90.621,43.517 105.18,43.517 105.404,43.74 v1(105.404,48.73) ; R42.2@114.125,109.258 112.871,109.258 ; R41.2@114.132,101.505 112.795,101.505 ; v1(114.479,97.834) 112.795,99.517 112.795,101.505 ; R30.1@119.278,114.362 119.303,114.362 119.578,114.087 119.578,114.062 120.83,112.811 v1(120.83,111.394) 113.35,111.394 112.871,110.915 112.871,109.258 ; v1(121.704,90.291) 124.606,90.291 v1(124.631,90.265) ; 112.795,101.505 112.097,101.505 111.519,102.083 111.519,108.795 111.982,109.258 112.871,109.258
  other v1: 91.491,45.263 89.579,46.228
VCC_5: D1.2 F1.1 JP3.37 JP3.38 JP3.39 JP3.40 | length 35.5
  Bottom Layer w0.762: v3(91.992,36.322) 91.992,35.071 92.805,34.258 121.768,34.258 JP3.39@124.72,37.211
VREF+: JP1.6 R2.2 | length 2.1
  Bottom Layer w0.279: JP1.6@80.645,93.218 R2.2@82.721,93.218
w25qXX_EN: IC1.1 U1.13 | length 17
  Top Layer w0.152: U1.13@105.328,79.568 105.328,80.889 105.708,81.269 v1(105.708,82.62) ; v1(115.818,86) 115.827,85.99 115.827,83.745 IC1.1@115.837,83.735
  Bottom Layer w0.152: v1(105.708,82.62) 109.088,86 v1(115.818,86)
pads on no net: "S1. " IM1.0 IM1.1 IM1.2 IM1.24 J1.0 J1.9 S1.0 S1.1 SW1.0 SW2.0 SW3. U2.6 U5.2 U5.3 U5.4 U5.5 U5.6 U5.7 U5.14 U5.15 U5.16 U5.17 U5.19 U5.21 U5.22 U6.1 U6.4 U6.7 U6.8 U6.9 U6.13 USBC1. USBC1.A8 USBC1.B8
copper on no net:
  other v2: 79.248,33.147 125.984,33.147 79.248,115.443 125.984,115.443

## Polygon pours and split planes (outlines as drawn)
GND on Top Layer "GND_L01_P026" (solid, pour order 26): 76.116,32.042 76.116,116.542 cw(c78.116,116.542) 78.116,118.542 89.366,118.542 92.866,122.042 118.991,122.042 122.491,118.542 127.116,118.542 cw(c127.116,116.542) 129.116,116.542 129.116,32.042 cw(c127.116,32.042) 127.116,30.042 78.116,30.042 cw(c78.116,32.042)
NetF1_2 on Top Layer "NETF1_2_L01_P025" (solid, pour order 25): 90.272,39.205 88.468,39.205 87.02,37.757 87.02,35.725 87.947,35.725 87.947,36.881 89.256,38.189 90.272,38.189
VCC_5 on Top Layer "VCC_5_L01_P024" (solid, pour order 24): 88.875,36.919 91.567,36.919 91.669,37.02 92.304,37.02 92.621,36.703 92.621,35.941 92.304,35.623 91.669,35.623 91.402,35.89 88.875,35.89
NetQ1_1 on Top Layer "NETQ1_1_L01_P023" (solid, pour order 23): 83.909,38.24 86.449,38.24 86.449,35.763 86.411,35.725 85.484,35.725 85.484,36.716 84.912,37.287 83.909,37.287
SW_VCC on Top Layer "SW_VCC_L01_P005" (solid, pour order 5): 87.014,39.116 87.014,41.351 84.874,43.491 82.772,43.491 82.772,42.589 83.61,42.589 84.677,41.523 84.677,40.538 86.1,39.116
NetD1_1 on Top Layer "NETD1_1_L01_P010" (solid, pour order 10): 91.351,40.443 91.357,40.45 94.539,40.449 97.053,37.935 101.206,37.935 101.206,36.686 99.991,35.471 97.016,35.471 95.802,36.684 95.802,38.043 94.786,39.059 91.357,39.059
VCC_3.3W on Top Layer "VCC_3.3W_L01_P007" (solid, pour order 7): 88.475,46.939 93.256,46.939 93.262,46.933 93.262,43.752 88.487,43.752 88.481,43.745
VCC_5 on Top Layer "VCC_5_L01_P015" (solid, pour order 15): 123.45,40.17 128.53,40.17 128.53,35.935 123.45,35.935
VCC_3.3W on Top Layer "VCC_3.3W_L01_P014" (solid, pour order 14): 123.438,53.734 125.266,53.734 125.914,53.086 125.914,51.143 128.518,51.143 128.53,51.156 128.53,41.662 123.45,41.662
VCC_3.3W on Top Layer "VCC_3.3W_L01_P006" (solid, pour order 6): 82.779,45.79 86.049,45.79 87.198,46.939 90.576,46.939 90.576,43.745 87.185,43.745 86.042,44.888 82.779,44.888
NetF1_2 on Top Layer "NONET_L01_P000" (solid, shelved, pour order 0): 87.941,35.731 87.941,36.957 89.179,38.195 90.259,38.195 90.259,39.192 90.265,39.199 88.456,39.199 87.02,37.763 87.02,35.725
NetD1_1 on Bottom Layer "NETD1_1_L02_P008" (solid, pour order 8): 91.351,40.443 91.357,40.45 95.148,40.449 97.663,37.935 101.206,37.935 101.206,36.686 99.991,35.471 97.016,35.471 95.802,36.684 95.802,38.043 94.786,39.059 91.357,39.059
GND on Bottom Layer "GND_L02_P021" (solid, pour order 21): 76.116,32.042 76.116,116.542 cw(c78.116,116.542) 78.116,118.542 89.366,118.542 92.866,122.042 118.991,122.042 122.491,118.542 127.116,118.542 cw(c127.116,116.542) 129.116,116.542 129.116,32.042 cw(c127.116,32.042) 127.116,30.042 78.116,30.042 cw(c78.116,32.042)
VCC_3.3W on Bottom Layer "VCC_3.3W_L02_P016" (solid, pour order 16): 88.478,46.939 88.484,46.933 93.11,46.933 95.212,44.831 124.72,44.831 124.72,42.164 90.062,42.164 88.481,43.745
VCC_3.3W on Bottom Layer "VCC_3.3W_L02_P013" (solid, pour order 13): 88.478,46.939 88.478,43.745 93.256,43.745 93.262,43.752 93.072,43.942 93.072,46.939
VCC_5 on Bottom Layer "VCC_5_L02_P011" (solid, pour order 11): 123.45,40.17 128.53,40.17 128.53,35.935 123.45,35.935
VCC_3.3W on Bottom Layer "VCC_3.3W_L02_P012" (solid, pour order 12): 123.438,53.734 125.266,53.734 125.914,53.086 125.914,51.143 128.518,51.143 128.53,51.156 128.53,41.662 123.45,41.662

## Keep-outs
Keep-Out Layer:
  the board outline again, w0.152

## Silkscreen, mask and mechanical layers (free items; w line width, h text height)
Top Overlay:
  lines w0.254: 98.629,112.992 106.629,112.992 106.629,120.992 98.629,120.992 98.629,112.992
  text "C1" at 82.931,97.016 h1.52 r90
  text "C0" at 83.845,97.015 h1.52 r90
  text "G5" at 86.019,95.936 h1.27
  text "B13" at 88.546,95.936 h1.27
  text "B14" at 91.086,95.936 h1.27
  text "B15" at 93.626,95.936 h1.27
  text "G4" at 96.166,95.936 h1.27
  text "Gnd" at 98.719,95.936 h1.27
  text "3v3" at 101.259,95.936 h1.27
  text "C3" at 82.931,94.476 h1.52 r90
  text "C2" at 83.845,94.475 h1.52 r90
  text "3v3" at 82.931,91.942 h1.52 r90
  text "VreF" at 83.845,91.942 h1.52 r90
  text "A1" at 82.931,89.408 h1.52 r90
  text "A0" at 83.845,89.408 h1.52 r90
  text "A3" at 82.931,86.868 h1.52 r90
  text "A2" at 83.845,86.868 h1.52 r90
  text "A7" at 82.931,84.328 h1.52 r90
  text "A5" at 83.845,84.328 h1.52 r90
  text "F6" at 122.415,84.201 h1.52 r90
  text "F7" at 123.342,84.201 h1.52 r90
  text "C5" at 82.931,81.788 h1.52 r90
  text "C4" at 83.845,81.788 h1.52 r90
  text "F4" at 122.415,81.661 h1.52 r90
  text "F5" at 123.342,81.661 h1.52 r90
  text "B1" at 82.931,79.248 h1.52 r90
  text "B0" at 83.845,79.248 h1.52 r90
  text "C13" at 122.415,79.121 h1.52 r90
  text "F2" at 123.342,79.121 h1.52 r90
  text "F12" at 82.931,76.708 h1.52 r90
  text "F11" at 83.845,76.708 h1.52 r90
  text "E3" at 122.415,76.581 h1.52 r90
  text "E2" at 123.342,76.581 h1.52 r90
  text "G0" at 82.931,74.168 h1.52 r90
  text "F13" at 83.845,74.168 h1.52 r90
  text "G14" at 122.415,74.041 h1.52 r90
  text "G13" at 123.342,74.041 h1.52 r90
  text "SDA" at 82.931,71.628 h1.52 r90
  text "SCL" at 83.845,71.628 h1.52 r90
  text "G12" at 122.415,71.501 h1.52 r90
  text "G11" at 123.342,71.501 h1.52 r90
  text "G1" at 82.931,69.088 h1.52 r90
  text "E7" at 83.845,69.088 h1.52 r90
  text "G10" at 122.415,68.961 h1.52 r90
  text "D5" at 123.342,68.961 h1.52 r90
  text "E8" at 82.931,66.548 h1.52 r90
  text "E9" at 83.845,66.548 h1.52 r90
  text "D4" at 122.415,66.421 h1.52 r90
  text "D3" at 123.342,66.421 h1.52 r90
  text "E10" at 82.931,64.008 h1.52 r90
  text "E11" at 83.845,64.008 h1.52 r90
  text "D1" at 122.415,63.881 h1.52 r90
  text "D0" at 123.342,63.881 h1.52 r90
  text "E12" at 82.931,61.468 h1.52 r90
  text "E13" at 83.845,61.468 h1.52 r90
  text "A15" at 122.415,61.341 h1.52 r90
  text "A8" at 123.342,61.341 h1.52 r90
  text "E14" at 82.931,58.928 h1.52 r90
  text "E13" at 83.845,58.928 h1.52 r90
  text "Gnd" at 122.415,58.801 h1.52 r90
  text "Gnd" at 123.342,58.801 h1.52 r90
  text "D8" at 82.931,56.388 h1.52 r90
  text "B11" at 83.845,56.388 h1.52 r90
  text "Swc" at 122.415,56.261 h1.52 r90
  text "TX" at 123.342,56.261 h1.52 r90
  text "D15" at 82.931,53.848 h1.52 r90
  text "D9" at 83.845,53.848 h1.52 r90
  text "Swd" at 122.415,53.721 h1.52 r90
  text "RX" at 123.342,53.721 h1.52 r90
  text "D10" at 82.931,51.308 h1.52 r90
  text "D14" at 83.845,51.308 h1.52 r90
  text "3v3" at 122.415,51.181 h1.52 r90
  text "Bot0" at 123.342,51.181 h1.52 r90
  text "B10" at 82.931,48.768 h1.52 r90
  text "G2" at 83.845,48.768 h1.52 r90
  text "GND GND GND GND" at 82.013,46.234 h1.02 r270
  text "3.3V 3.3V 3.3V 3.3V" at 123.43,41.001 h1.27 r90
  text "5V 5V" at 123.405,35.916 h1.27 r90

## Text inside footprints (layer, text, board x,y; h text height)
J1: Top Overlay "1" at 115.398,44.355 h0.76; Top Overlay "2" at 114.306,44.355 h0.76; Top Overlay "3" at 113.239,44.355 h0.76; Top Overlay "4" at 112.045,44.355 h0.76; Top Overlay "5" at 110.979,44.355 h0.76; Top Overlay "6" at 109.912,44.355 h0.76; Top Overlay "7" at 108.845,44.355 h0.76; Top Overlay "8" at 107.727,44.355 h0.76; Top Overlay "k" at 106.458,44.355 h0.76
SW3: Bottom Overlay "SIQ-02FVS3" at 122.15,101.511 h1.52 r270